# Altium PCB AIR_MOUNT23.PcbDoc (part 4 of 4)
Units mm, origin at the board's own origin, x right, y up, seen from the top; angles counter-clockwise.
Board outline 149.5 x 178 mm, 4 copper layers (Top Layer, Layer 1, Layer 2, Bottom Layer), stack 1.741 mm thick; 443 components, 337 nets, 1578 pads, 464 vias.
Unrouted connection lines stored in the file: 63.
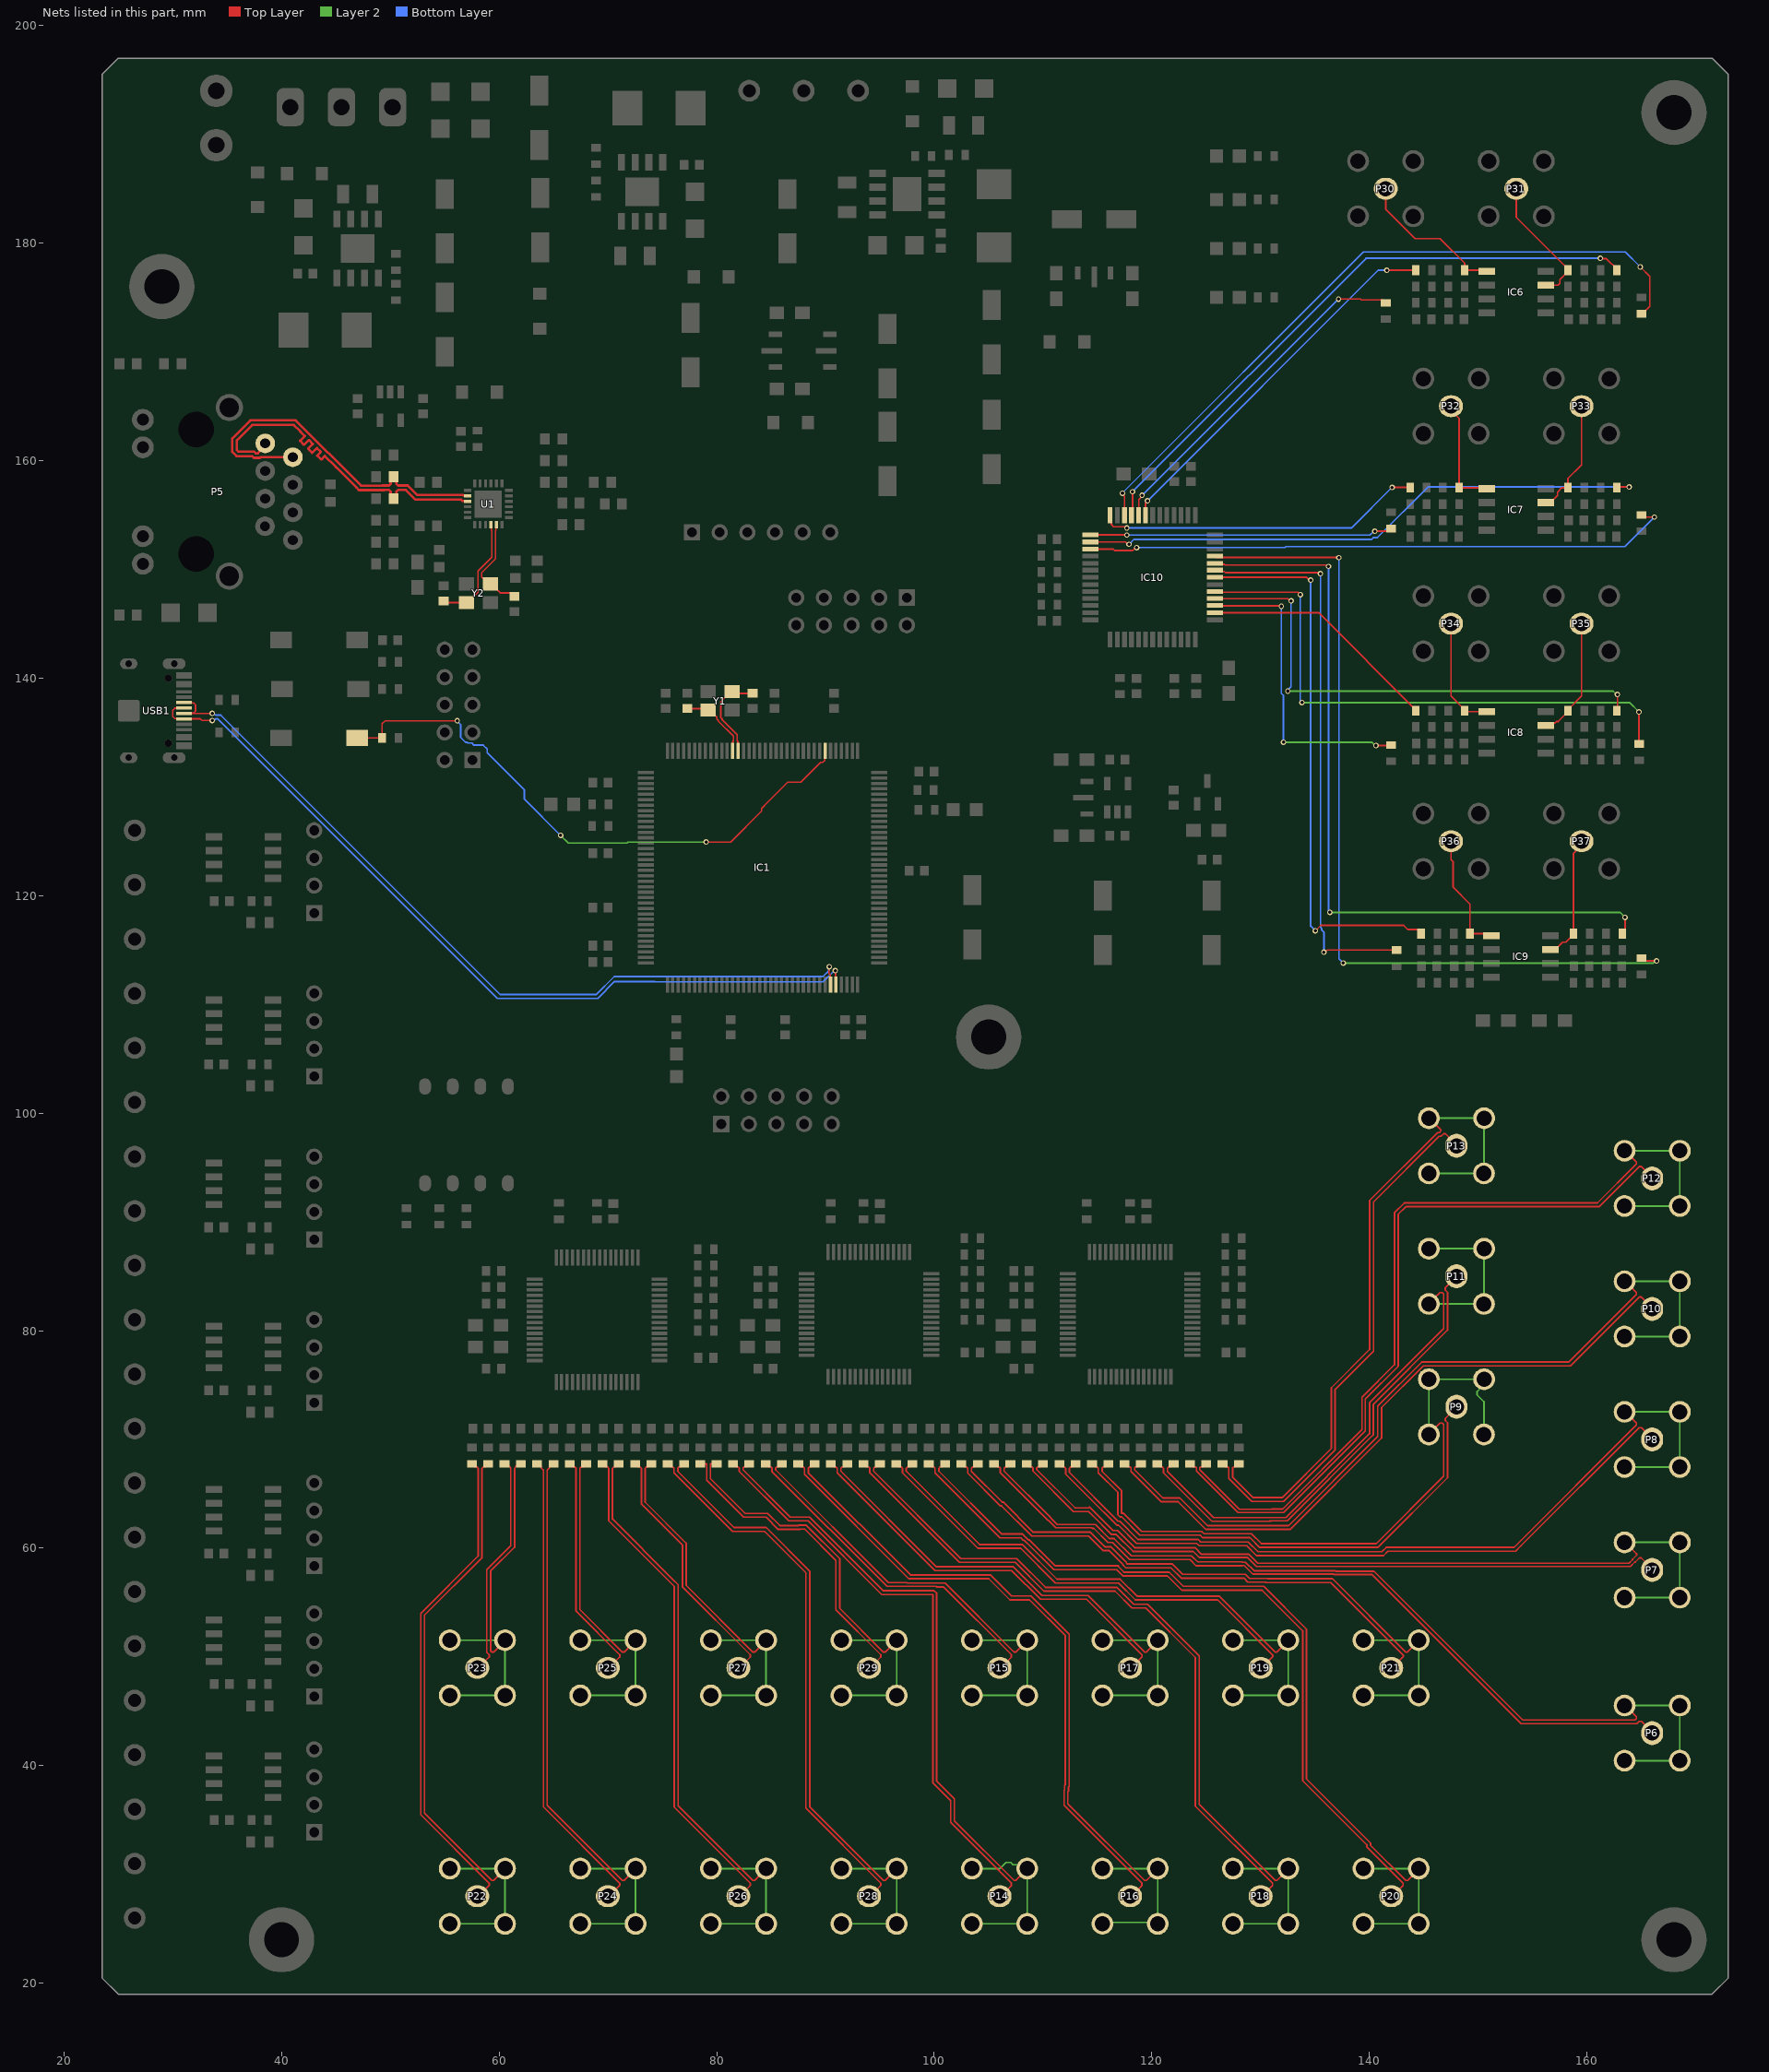
[diagram p6: the nets of this part, all layers, seen from the top]

## Via types
v1: diameter 0.5, hole 0.3, Top Layer to Bottom Layer, tented both sides, 452 vias
v2: diameter 0.7, hole 0.4, Top Layer to Bottom Layer, 8 vias
v3: diameter 0.6, hole 0.3, Top Layer to Bottom Layer, tented both sides, 2 vias
v4: diameter 0.66, hole 0.33, Top Layer to Bottom Layer, 2 vias

## Nets (pads, with @x,y where several pads share a name; then routed paths per layer and width w, separated by ;. In a path a pad name is that pad's centre, name@x,y a point inside that pad or via, vN(x,y) a via of type N, cw(c..) or ccw(c..) an arc to the next point about the centre after c; other vN are vias at no path point) (continued)
TD_3_N: P5.2 R31.1 U1.20 | length 33.4
  Top Layer w0.22: P5.2@41.04,160.31 38.057,160.31 37.997,160.25 37.454,160.25 37.301,160.403 35.861,160.403 35.477,160.787 35.477,162.036 37.138,163.697 41.297,163.697 47.294,157.7 49.288,157.7 49.298,157.71 49.89,157.71 50.028,157.848 50.028,158.228 R31.1@50.3,158.5 50.572,158.228 50.572,157.848 50.71,157.71 51.602,157.71 52.482,156.83 56.691,156.83 56.741,156.78 57.07,156.78 U1.20@57.1,156.75
TD_3_P: P5.1 R36.1 U1.21 | length 33.4
  Top Layer w0.22: P5.1@38.5,161.58 38.5,161.347 37.823,160.67 37.628,160.67 37.475,160.823 36.035,160.823 35.897,160.961 35.897,161.862 37.312,163.277 41.123,163.277 41.7,162.7 41.778,162.622 42.145,162.255 41.708,161.817 42.076,161.45 42.513,161.887 42.881,161.519 42.444,161.082 42.811,160.714 43.249,161.151 43.616,160.784 43.285,160.453 43.653,160.085 43.984,160.416 44.972,159.428 45.05,159.35 46.874,157.526 47.12,157.28 49.462,157.28 49.472,157.29 49.89,157.29 50.028,157.152 50.028,156.772 R36.1@50.3,156.5 50.572,156.772 50.572,157.152 50.71,157.29 51.428,157.29 52.308,156.41 56.517,156.41 56.647,156.28 57.07,156.28 U1.21@57.1,156.25
USB_D_2_N: IC1.103 USB1.A7 USB1.B7 | length 75.8
  Top Layer w0.15: USB1.B7@31.048,137.75 31.073,137.725 31.907,137.725 32.098,137.535 32.098,136.965 31.907,136.775 31.073,136.775 USB1.A7@31.048,136.75 31.907,136.75 v1(33.625,136.75) ; v1(90.352,113.465) 90.315,113.428 90.315,112.832 90.44,112.707 90.44,111.856 IC1.103@90.465,111.831
  Bottom Layer w0.15: v1(33.625,136.75) 33.692,136.683 33.855,136.683 33.938,136.6 34.415,136.6 60.115,110.9 68.921,110.9 70.581,112.56 74.709,112.56 89.77,112.56 90.307,113.097 90.307,113.42 v1(90.352,113.465)
USB_D_2_P: IC1.104 USB1.A6 USB1.B6 | length 75.8
  Top Layer w0.15: USB1.A6@31.048,137.25 31.022,137.225 30.188,137.225 29.997,137.035 29.997,136.465 30.188,136.275 31.022,136.275 USB1.B6@31.048,136.25 32.539,136.25 32.689,136.1 v1(33.625,136.1) ; v1(90.9,113.1) 90.94,113.06 90.94,111.856 IC1.104@90.965,111.831
  Bottom Layer w0.15: v1(33.625,136.1) 33.692,136.167 33.855,136.167 33.938,136.25 34.15,136.25 59.85,110.55 69.066,110.55 70.616,112.1 74.3,112.1 74.33,112.07 89.775,112.07 90.805,113.1 v1(90.9,113.1)
USER_BTN_2: IC1.7 R4.1 S1.2 | length 54.7
  Top Layer w0.15: S1.2@46.944,134.5 R4.1@49.25,134.5 49.25,135.805 49.52,136.075 v1(56.15,136.075) ; v1(79.026,124.926) 81.272,124.926 84.129,127.782 84.129,128.029 84.7,128.6 86.522,130.422 87.735,130.422 89.558,132.244 89.75,132.244 89.94,132.435 89.94,132.84 89.965,132.865 IC1.7@89.965,133.307
  Layer 2 w0.15: v1(65.653,125.536) 66.364,124.825 71.738,124.825 71.839,124.926 v1(79.026,124.926)
  Bottom Layer w0.15: v1(56.15,136.075) 56.15,136.033 56.465,135.718 56.465,134.555 56.922,134.098 57.063,134.098 57.136,134.025 57.491,134.025 57.681,133.835 58.549,133.835 58.915,133.469 58.915,133.14 59.3,132.755 59.3,132.749 62.326,129.723 62.326,128.864 v1(65.653,125.536)
V0_8: IC10.34 R106.1 | length 34.8
  Top Layer w0.15: IC10.34@119.418,154.979 119.418,156.118 v1(119.6,156.3) ; v1(141.6,177.5) R106.1@144.25,177.5
  Bottom Layer w0.15: v1(119.6,156.3) 140.8,177.5 v1(141.6,177.5)
V1_5_N: P6.2 R66.1 | length 85.6
  Top Layer w0.15: R66.1@107,67.75 106.725,67.475 106.542,67.475 106.425,67.358 106.425,67.075 110.701,62.799 110.701,62.764 111.291,62.173 114.816,62.173 116.111,60.879 116.535,60.879 118.114,59.3 123.65,59.3 124.212,58.738 128.294,58.738 128.319,58.713 128.612,58.713 129.4,57.925 136.852,57.925 136.902,57.875 140.432,57.875 154.092,44.215 164.428,44.215 164.548,44.336 164.548,44.502 163.51,45.54 P6.2@163.46,45.54
  Layer 2 w0.15: P6.2@163.46,40.46 P6.2@168.533,40.46 168.536,40.464 168.536,45.536 P6.2@168.54,45.54 P6.2@163.46,45.54
V1_5_P: P6.1 R67.1 | length 71.3
  Top Layer w0.15: R67.1@105.5,67.75 105.775,67.475 105.958,67.475 106.075,67.358 106.075,66.93 110.453,62.552 110.489,62.552 111.167,61.873 114.503,61.873 114.553,61.823 114.671,61.823 115.966,60.529 116.39,60.529 117.969,58.95 123.504,58.95 124.067,58.387 128.294,58.387 128.319,58.413 128.488,58.413 129.276,57.625 136.728,57.625 136.778,57.575 140.237,57.575 153.947,43.865 164.572,43.865 164.796,44.088 165.012,44.088 166,43.1 P6.1@166,43
V1_6_N: P14.2 R84.1 | length 70.1
  Top Layer w0.15: R84.1@83,67.75 82.725,67.475 82.513,67.475 82.425,67.387 82.425,67.207 86.772,62.86 88.546,62.86 95.316,56.09 99.988,56.09 100.221,55.857 100.221,38.574 101.85,36.945 101.85,34.937 107.336,29.452 107.502,29.452 108.54,30.49 P14.2@108.54,30.54
  Layer 2 w0.15: P14.2@103.46,25.467 103.464,25.464 108.536,25.464 P14.2@108.54,25.46 P14.2@108.54,30.54 108.186,30.894 107.246,30.894 107.04,31.1 106.6,31.1 106.04,30.54 P14.2@103.46,30.54
V1_6_P: P14.1 R85.1 | length 54.8
  Top Layer w0.15: R85.1@81.5,67.75 81.775,67.475 81.987,67.475 82.075,67.387 82.075,67.062 86.627,62.51 88.401,62.51 95.068,55.842 95.171,55.74 99.843,55.74 99.871,55.712 99.871,38.429 101.5,36.8 101.5,34.793 107.088,29.204 107.088,28.988 106.1,28 P14.1@106,28
V1_7_N: P22.2 R102.1 | length 60.3
  Top Layer w0.15: R102.1@59,67.75 58.725,67.475 58.542,67.475 58.425,67.358 58.425,59.13 53.147,53.853 53.147,35.64 59.336,29.452 59.502,29.452 60.54,30.49 P22.2@60.54,30.54
  Layer 2 w0.15: P22.2@55.46,25.467 55.464,25.464 60.536,25.464 P22.2@60.54,25.46 P22.2@60.54,30.54 P22.2@55.46,30.54
V1_7_P: P22.1 R103.1 | length 45.4
  Top Layer w0.15: R103.1@57.5,67.75 57.775,67.475 57.958,67.475 58.075,67.358 58.075,59.275 52.797,53.997 52.797,35.495 59.088,29.204 59.088,28.988 58.1,28 P22.1@58,28
V1_8: IC10.35 R108.1 | length 32
  Top Layer w0.15: IC10.35@118.783,154.979 118.8,154.996 118.8,156.405 119.1,156.705 v1(119.1,156.8) ; v1(137.159,174.846) 139.187,174.846 139.259,174.775 141.225,174.775 R108.1@141.5,174.5
  Bottom Layer w0.15: v1(119.1,156.8) 137.146,174.846 v1(137.159,174.846)
V2_5_N: P7.2 R64.1 | length 77.1
  Top Layer w0.14: R64.1@110,67.75 109.72,67.47 109.502,67.47 109.42,67.388 109.42,67.233 112.934,63.719 114.203,63.719 114.267,63.783
  Top Layer w0.15: 114.267,63.783 116.421,61.629 116.846,61.629 118.424,60.05 123.96,60.05 124.573,59.438 128.93,59.438 129.742,58.625 163.873,58.625 164.188,58.94 164.188,58.975 164.569,59.357 164.569,59.481 163.51,60.54 P7.2@163.46,60.54
  Layer 2 w0.15: P7.2@163.46,55.46 P7.2@168.533,55.46 168.536,55.464 168.536,60.536 P7.2@168.54,60.54 163.64,60.54 163.46,60.36 P7.2@163.46,60.54
V2_5_P: P7.1 R65.1 | length 62.4
  Top Layer w0.14: R65.1@108.5,67.75 108.78,67.47 108.998,67.47 109.08,67.388 109.08,67.092 112.793,63.379 114.176,63.379 114.24,63.315
  Top Layer w0.15: 114.24,63.315 114.553,63.003 116.276,61.279 116.701,61.279 118.279,59.7 123.755,59.7 123.815,59.7 124.378,59.138 128.806,59.138 129.618,58.325 163.997,58.325 164.4,58.728 164.435,58.728 164.817,59.109 164.991,59.109 166,58.1 P7.1@166,58
V2_6_N: P15.2 R82.1 | length 46.7
  Top Layer w0.15: R82.1@86,67.75 85.725,67.475 85.513,67.475 85.425,67.387 85.425,67.207 95.802,56.83 97.464,56.83 97.499,56.795 100.993,56.795 107.336,50.452 107.502,50.452 108.54,51.49 P15.2@108.54,51.54
  Layer 2 w0.15: P15.2@103.46,46.467 103.464,46.464 108.536,46.464 P15.2@108.54,46.46 P15.2@108.54,51.54 P15.2@103.46,51.54
V2_6_P: P15.1 R83.1 | length 31.8
  Top Layer w0.15: R83.1@84.5,67.75 84.775,67.475 84.987,67.475 85.075,67.387 85.075,67.062 95.647,56.49 100.154,56.49 100.199,56.445 100.848,56.445 107.088,50.204 107.088,49.988 106.1,49 P15.1@106,49
V2_7_N: P23.2 R100.1 | length 35.8
  Top Layer w0.15: P23.2@60.54,51.54 60.54,51.49 59.502,50.452 59.336,50.452 59.215,50.572 59.215,57.881 61.425,60.091 61.425,67.175 cw(c62,67.175) 61.625,67.611 R100.1@62,67.75
  Layer 2 w0.15: P23.2@55.46,46.467 55.464,46.464 60.264,46.464 60.5,46.7 P23.2@60.54,46.66 ; P23.2@55.46,51.54 P23.2@60.54,51.54 60.3,51.3 60.54,51.06 P23.2@60.54,46.66 ; P23.2@60.54,46.46 P23.2@60.54,46.66
V2_7_P: P23.1 R101.1 | length 20.6
  Top Layer w0.15: P23.1@58,49 58.1,49 59.088,49.988 59.088,50.204 58.865,50.428 58.865,58.026 61.075,60.236 61.075,67.175 ccw(c60.5,67.175) 60.875,67.611 R101.1@60.5,67.75
V2_8: IC10.36 R112.1 | length 56.1
  Top Layer w0.15: IC10.36@118.123,154.979 118.224,155.081 v1(118.224,157.137) ; v1(161.219,178.6) 161.263,178.556 161.794,178.556 162.75,177.6 R112.1@162.75,177.5
  Bottom Layer w0.15: v1(118.224,157.137) 139.687,178.6 v1(161.219,178.6)
V3_5_N: P8.2 R62.1 | length 78
  Top Layer w0.15: R62.1@113,67.75 112.725,67.475 112.542,67.475 112.425,67.358 112.425,66.963 116.913,62.476 117.059,62.476 118.735,60.8 124.271,60.8 124.496,60.575 128.853,60.575 129.758,59.67 141.145,59.67 141.55,60.075 153.287,60.075 164.548,71.336 164.548,71.502 163.51,72.54 P8.2@163.46,72.54
  Layer 2 w0.15: P8.2@163.46,67.46 P8.2@168.533,67.46 168.536,67.464 168.536,72.536 P8.2@168.54,72.54 P8.2@163.46,72.54
V3_5_P: P8.1 R63.1 | length 63.7
  Top Layer w0.15: R63.1@111.5,67.75 111.775,67.475 111.958,67.475 112.075,67.358 112.075,66.818 114.319,64.574 116.768,62.126 116.914,62.126 118.59,60.45 124.126,60.45 124.351,60.225 128.708,60.225 129.613,59.32 141.29,59.32 141.695,59.725 153.432,59.725 153.922,60.215 164.796,71.088 165.012,71.088 166,70.1 P8.1@166,70
V3_6_N: P16.2 R80.1 | length 74.8
  Top Layer w0.15: R80.1@89,67.75 88.725,67.475 88.542,67.475 88.425,67.358 88.425,66.93 97.81,57.545 105.155,57.545 107.1,55.6 108.9,55.6 112.402,52.098 112.402,38.108 112.33,38.035 112.33,37.635 112.28,37.585 112.28,36.507 119.336,29.452 119.502,29.452 120.54,30.49 P16.2@120.54,30.54
  Layer 2 w0.15: P16.2@115.46,25.467 115.593,25.6 120.4,25.6 P16.2@120.54,25.46 120.54,29.685 120.113,30.113 119.825,30.4 120.3,30.4 P16.2@120.44,30.54 ; P16.2@115.46,30.54 P16.2@120.44,30.54 ; P16.2@120.54,30.54 P16.2@120.44,30.54
V3_6_P: P16.1 R81.1 | length 58.9
  Top Layer w0.15: R81.1@87.5,67.75 87.775,67.475 87.958,67.475 88.075,67.358 88.075,66.785 97.665,57.195 105.01,57.195 106.955,55.25 108.755,55.25 112.053,51.953 112.053,38.253 111.98,38.18 111.98,37.78 111.93,37.73 111.93,36.362 119.088,29.204 119.088,28.988 118.1,28 P16.1@118,28
V3_7_N: P24.2 R98.1 | length 58.5
  Top Layer w0.15: R98.1@65,67.75 64.9,67.75 64.625,67.475 64.625,67.383 64.425,67.183 64.425,36.363 71.336,29.452 71.502,29.452 72.54,30.49 P24.2@72.54,30.54
  Layer 2 w0.15: P24.2@67.46,25.467 67.464,25.464 72.364,25.464 P24.2@72.54,25.64 ; P24.2@67.46,30.54 P24.2@72.54,30.54 P24.2@72.54,25.64 ; P24.2@72.54,25.46 P24.2@72.54,25.64
V3_7_P: P24.1 R99.1 | length 43.5
  Top Layer w0.15: R99.1@63.5,67.75 63.6,67.75 63.875,67.475 63.875,67.375 64.075,67.175 64.075,36.218 71.088,29.204 71.088,28.988 70.1,28 P24.1@70,28
V3_8: IC10.37 R115.1 | length 64.5
  Top Layer w0.15: v1(117.3,157) 117.3,156.905 117.488,156.717 IC10.37@117.488,154.979 ; v1(164.9,177.8) 165.775,176.925 165.775,174.175 165.1,173.5 R115.1@165,173.5
  Bottom Layer w0.15: v1(117.3,157) 117.3,157.026 139.449,179.175 163.525,179.175 v1(164.9,177.8)
V4_5_N: P9.2 R60.1 | length 61.3
  Top Layer w0.15: R60.1@116,67.75 115.725,67.475 115.542,67.475 115.425,67.358 115.425,67.075 117.223,65.277 117.223,63.226 117.37,63.226 119.046,61.55 124.581,61.55 124.806,61.325 128.927,61.325 129.072,61.325 129.164,61.325 130.069,60.42 140.624,60.42 146.831,66.627 146.831,71.381 146.714,71.498 146.498,71.498 P9.2@145.46,70.46
  Layer 2 w0.15: P9.2@145.46,70.46 P9.2@145.46,75.54 P9.2@150.54,75.54 150.54,75.039 149.9,74.399 149.9,74.1 150.533,73.467 P9.2@150.533,70.46
V4_5_P: P9.1 R61.1 | length 47
  Top Layer w0.15: R61.1@114.5,67.75 114.775,67.475 114.958,67.475 115.075,67.358 115.075,66.93 116.873,65.132 116.873,63.226 116.873,63.081 117.078,62.876 117.225,62.876 118.901,61.2 124.437,61.2 124.662,60.975 129.019,60.975 129.924,60.07 140.769,60.07 147.181,66.482 147.181,71.526 146.962,71.746 146.962,71.912 148,72.95 P9.1@148,73
V4_6_N: P17.2 R78.1 | length 52.8
  Top Layer w0.15: R78.1@92,67.75 91.725,67.475 91.542,67.475 91.425,67.358 91.425,67.075 100.205,58.295 107.266,58.295 109.908,55.653 114.135,55.653 119.357,50.431 119.481,50.431 120.54,51.49 P17.2@120.54,51.54
  Layer 2 w0.15: P17.2@115.46,46.467 115.464,46.464 120.536,46.464 P17.2@120.54,46.46 P17.2@120.54,51.54 P17.2@115.46,51.54
V4_6_P: P17.1 R79.1 | length 37.8
  Top Layer w0.15: R79.1@90.5,67.75 90.775,67.475 90.958,67.475 91.075,67.358 91.075,66.93 100.06,57.945 107.121,57.945 109.763,55.303 113.99,55.303 119.109,50.183 119.109,50.009 118.1,49 P17.1@118,49
V4_7_N: P25.2 R96.1 | length 36.6
  Top Layer w0.15: R96.1@68,67.75 67.725,67.475 67.542,67.475 67.425,67.358 67.425,54.362 71.336,50.452 71.502,50.452 72.54,51.49 P25.2@72.54,51.54
  Layer 2 w0.15: P25.2@67.46,46.467 67.464,46.464 72.136,46.464 72.3,46.3 72.46,46.46 P25.2@72.54,46.46 P25.2@72.54,51.54 67.96,51.54 67.7,51.8 67.46,51.56 P25.2@67.46,51.54
V4_7_P: P25.1 R97.1 | length 21.3
  Top Layer w0.15: R97.1@66.5,67.75 66.775,67.475 66.958,67.475 67.075,67.358 67.075,54.218 71.088,50.204 71.088,49.988 70.1,49 P25.1@70,49
V4_8: IC10.39 R120.1 | length 30.1
  Top Layer w0.15: IC10.39@116.167,154.979 116.167,154.519 116.287,154.4 116.287,154.108 116.477,153.918 117.582,153.918 v1(117.7,153.8) ; v1(142.081,157.535) 143.715,157.535 R120.1@143.75,157.5
  Bottom Layer w0.15: v1(117.7,153.8) 138.347,153.8 v1(142.081,157.535)
V5_5_N: P10.2 R58.1 | length 76.8
  Top Layer w0.15: R58.1@119,67.75 118.725,67.475 118.513,67.475 118.425,67.387 118.425,67.207 121.012,64.62 122.573,64.62 125.117,62.075 132.565,62.075 140.766,70.276 140.766,73.074 144.808,77.115 158.328,77.115 164.548,83.336 164.548,83.502 163.51,84.54 P10.2@163.46,84.54
  Layer 2 w0.15: P10.2@163.46,79.46 P10.2@168.533,79.46 168.536,79.464 168.536,84.536 P10.2@168.54,84.54 163.66,84.54 163.46,84.74 P10.2@163.46,84.54
V5_5_P: P10.1 R59.1 | length 62.2
  Top Layer w0.15: R59.1@117.5,67.75 117.775,67.475 117.987,67.475 118.075,67.387 118.075,67.062 120.867,64.27 122.428,64.27 124.972,61.725 129.092,61.725 132.71,61.725 141.116,70.131 141.116,72.929 144.953,76.765 158.473,76.765 164.796,83.088 165.012,83.088 166,82.1 P10.1@166,82
V5_6_N: P18.2 R76.1 | length 78.6
  Top Layer w0.15: R76.1@95,67.75 94.725,67.475 94.542,67.475 94.425,67.358 94.425,67.075 102.455,59.045 107.576,59.045 110.219,56.403 116.769,56.403 118.324,54.847 119.602,54.847 124.35,50.099 124.35,36.437 131.336,29.452 131.502,29.452 132.54,30.49 P18.2@132.54,30.54
  Layer 2 w0.15: P18.2@127.46,25.467 127.464,25.464 132.536,25.464 P18.2@132.54,25.46 P18.2@132.54,30.54 127.84,30.54 127.7,30.4 127.56,30.54 P18.2@127.46,30.54
V5_6_P: P18.1 R77.1 | length 63.5
  Top Layer w0.15: R77.1@93.5,67.75 93.775,67.475 93.958,67.475 94.075,67.358 94.075,66.93 102.31,58.695 107.431,58.695 110.074,56.053 116.624,56.053 118.179,54.497 119.457,54.497 124,49.954 124,36.293 131.088,29.204 131.088,28.988 130.1,28 P18.1@130,28
V5_7_N: P26.2 R94.1 | length 60.9
  Top Layer w0.15: R94.1@71,67.75 70.725,67.475 70.542,67.475 70.425,67.358 70.425,62.675 76,57.1 76.45,56.65 76.45,36.338 83.336,29.452 83.502,29.452 84.54,30.49 P26.2@84.54,30.54
  Layer 2 w0.15: P26.2@79.46,25.467 79.464,25.464 84.536,25.464 P26.2@84.54,25.46 P26.2@84.54,30.54 P26.2@79.46,30.54
V5_7_P: P26.1 R95.1 | length 46
  Top Layer w0.15: R95.1@69.5,67.75 69.775,67.475 69.958,67.475 70.075,67.358 70.075,62.53 76.1,56.505 76.1,36.193 83.088,29.204 83.088,28.988 82.1,28 P26.1@82,28
V5_8: IC10.40 R122.1 | length 27.9
  Top Layer w0.15: IC10.40@114.364,153.176 114.377,153.163 117.687,153.163 v1(117.7,153.15) ; v1(140.5,153.5) 141.75,153.5 R122.1@142,153.75
  Bottom Layer w0.15: v1(117.7,153.15) 140.055,153.15 140.405,153.5 v1(140.5,153.5)
V6_5_N: P11.2 R56.1 | length 57.6
  Top Layer w0.15: R56.1@122,67.75 121.725,67.475 121.542,67.475 121.425,67.358 121.425,67.065 125.665,62.825 129.245,62.825 132.325,62.825 140.016,70.516 140.016,73.384 146.831,80.199 146.831,83.381 146.714,83.498 146.498,83.498 P11.2@145.46,82.46
  Layer 2 w0.15: P11.2@145.46,82.46 145.46,82.64 145.55,82.55 145.64,82.46 P11.2@150.533,82.46 150.536,82.464 150.536,87.536 P11.2@150.54,87.54 P11.2@145.46,87.54
V6_5_P: P11.1 R57.1 | length 43.5
  Top Layer w0.15: R57.1@120.5,67.75 120.775,67.475 120.958,67.475 121.075,67.358 121.075,66.92 125.52,62.475 129.245,62.475 130.783,62.475 130.808,62.5 130.953,62.5 130.978,62.525 132.449,62.525 140.316,70.392 140.316,70.396 140.366,70.446 140.366,73.239 147.181,80.054 147.181,83.526 146.962,83.746 146.962,83.912 148,84.95 P11.1@148,85
V6_6_N: P19.2 R74.1 | length 58.8
  Top Layer w0.15: R74.1@98,67.75 97.725,67.475 97.542,67.475 97.425,67.358 97.425,67.075 104.154,60.346 108.086,60.346 111.279,57.153 117.079,57.153 118.635,55.597 126.19,55.597 131.357,50.431 131.481,50.431 132.54,51.49 P19.2@132.54,51.54
  Layer 2 w0.15: P19.2@127.46,46.467 127.464,46.464 132.536,46.464 P19.2@132.54,46.46 P19.2@132.54,51.54 P19.2@127.46,51.54
V6_6_P: P19.1 R75.1 | length 43.8
  Top Layer w0.15: R75.1@96.5,67.75 96.775,67.475 96.958,67.475 97.075,67.358 97.075,66.93 104.009,59.996 107.941,59.996 111.134,56.803 116.934,56.803 118.49,55.247 126.045,55.247 131.109,50.183 131.109,50.009 130.1,49 P19.1@130,49
V6_7_N: P27.2 R92.1 | length 38.8
  Top Layer w0.15: R92.1@74,67.75 73.725,67.475 73.542,67.475 73.425,67.358 73.425,64.231 77.2,60.456 77.2,56.588 83.336,50.452 83.502,50.452 84.54,51.49 P27.2@84.54,51.54
  Layer 2 w0.15: P27.2@79.46,46.467 79.464,46.464 84.536,46.464 P27.2@84.54,46.46 84.54,51.44 84.59,51.49 84.64,51.54 P27.2@84.54,51.54 P27.2@79.46,51.54
V6_7_P: P27.1 R93.1 | length 23.8
  Top Layer w0.15: R93.1@72.5,67.75 72.775,67.475 72.958,67.475 73.075,67.358 73.075,64.086 76.85,60.311 76.85,56.443 83.088,50.204 83.088,49.988 82.1,49 P27.1@82,49
V6_8: IC10.41 R126.1 | length 52.9
  Top Layer w0.15: IC10.41@114.364,152.516 117.59,152.516 117.805,152.3 v1(117.9,152.3) ; R126.1@162.75,157.5 162.819,157.569 v1(163.879,157.569)
  Bottom Layer w0.15: v1(117.9,152.3) 118.35,152.75 140.221,152.75 140.396,152.925 140.738,152.925 145.382,157.569 v1(163.879,157.569)
V7_5_N: P12.2 R54.1 | length 82.6
  Top Layer w0.15: R54.1@125,67.75 124.725,67.475 124.488,67.475 124.4,67.387 124.4,67.232 128.052,63.58 131.001,63.58 131.011,63.59 132.005,63.59 139.316,70.901 139.316,73.886 142.3,76.87 142.3,90.845 143.205,91.75 160.963,91.75 164.548,95.336 164.548,95.502 163.51,96.54 P12.2@163.46,96.54
  Layer 2 w0.15: P12.2@163.46,91.46 P12.2@168.533,91.46 168.536,91.464 168.536,96.536 P12.2@168.54,96.54 P12.2@163.46,96.54
V7_5_P: P12.1 R55.1 | length 68.1
  Top Layer w0.15: R55.1@123.5,67.75 123.775,67.475 124.012,67.475 124.1,67.387 124.1,67.108 127.928,63.28 131.125,63.28 131.135,63.29 132.129,63.29 139.616,70.777 139.616,73.691 139.666,73.741 142.65,76.725 142.65,90.7 143.35,91.4 161.108,91.4 164.796,95.088 165.012,95.088 166,94.1 P12.1@166,94
V7_6_N: P20.2 R72.1 | length 84.7
  Top Layer w0.15: R72.1@101,67.75 100.725,67.475 100.542,67.475 100.425,67.358 100.425,67.075 106.201,61.299 108.115,61.299 108.369,61.046 108.376,61.046 108.671,60.751 108.766,60.751 111.142,58.375 116.917,58.375 116.917,58.313 117.43,57.8 117.492,57.8 121.584,57.8 122.894,56.49 130.28,56.49 134.215,52.555 134.215,40.862 134.215,38.78 140.107,32.888 140.107,32.681 143.336,29.452 143.502,29.452 144.54,30.49 P20.2@144.54,30.54
  Layer 2 w0.15: P20.2@139.46,25.467 139.464,25.464 144.536,25.464 P20.2@144.54,25.46 P20.2@144.54,30.54 P20.2@139.46,30.54
V7_6_P: P20.1 R73.1 | length 69.7
  Top Layer w0.15: R73.1@99.5,67.75 99.775,67.475 99.958,67.475 100.075,67.358 100.075,66.93 106.056,60.949 107.97,60.949 108.174,60.746 108.252,60.746 108.546,60.451 108.571,60.451 110.997,58.025 116.772,58.025 117.245,57.553 117.306,57.492 117.347,57.45 121.439,57.45 122.749,56.14 130.135,56.14 133.865,52.41 133.865,40.862 133.865,38.635 139.757,32.743 139.757,32.536 143.088,29.204 143.088,28.988 142.1,28 P20.1@142,28
V7_7_N: P28.2 R90.1 | length 65.1
  Top Layer w0.15: R90.1@77,67.75 76.725,67.475 76.542,67.475 76.425,67.358 76.425,67.075 81.6,61.9 84.545,61.9 88.55,57.895 88.55,36.237 95.336,29.452 95.502,29.452 96.54,30.49 P28.2@96.54,30.54
  Layer 2 w0.15: P28.2@91.46,25.467 91.464,25.464 96.536,25.464 P28.2@96.54,25.46 P28.2@96.54,30.54 P28.2@91.46,30.54
V7_7_P: P28.1 R91.1 | length 50.2
  Top Layer w0.15: R91.1@75.5,67.75 75.775,67.475 75.958,67.475 76.075,67.358 76.075,66.93 81.455,61.55 84.4,61.55 88.2,57.75 88.2,36.093 95.088,29.204 95.088,28.988 94.1,28 P28.1@94,28
V7_8: IC10.42 R129.1 | length 54.5
  Top Layer w0.15: IC10.42@114.364,151.855 114.545,151.855 114.6,151.8 114.655,151.855 116.47,151.855 116.6,151.725 118.23,151.725 118.505,152 v1(118.6,152) ; R129.1@165,155 165.2,154.8 v1(166.2,154.8)
  Bottom Layer w0.15: v1(118.6,152) 132.228,152 132.327,152.099 163.499,152.099 v1(166.2,154.8)
V8_5_N: P13.2 R52.1 | length 63.7
  Top Layer w0.15: R52.1@128,67.75 127.725,67.475 127.513,67.475 127.425,67.387 127.425,66.55 129.325,64.65 131.975,64.65 136.5,69.175 136.5,74.75 140.025,78.275 140.025,91.975 146.266,98.216 146.429,98.216 146.569,98.357 146.569,98.481 145.51,99.54 P13.2@145.46,99.54
  Layer 2 w0.15: P13.2@145.46,94.46 P13.2@150.533,94.46 150.536,94.464 150.536,99.536 P13.2@150.54,99.54 P13.2@145.46,99.54
V8_5_P: P13.1 R53.1 | length 49.3
  Top Layer w0.15: R53.1@126.5,67.75 126.775,67.475 126.987,67.475 127.075,67.387 127.075,66.405 129.18,64.3 132.12,64.3 136.85,69.03 136.85,74.605 140.375,78.13 140.375,91.83 146.411,97.866 146.574,97.866 146.817,98.109 146.991,98.109 148,97.1 P13.1@148,97
V8_6_N: P21.2 R70.1 | length 64.9
  Top Layer w0.15: R70.1@104,67.75 103.725,67.475 103.542,67.475 103.425,67.358 103.425,67.05 106.235,64.24 106.337,64.24 109.104,61.473 114.338,61.473 115.682,60.129 116.224,60.129 117.653,58.7 117.653,58.638 117.741,58.55 121.895,58.55 122.845,57.6 128.594,57.6 128.969,57.225 130.606,57.225 130.626,57.205 130.64,57.205 130.65,57.195 136.593,57.195 143.357,50.431 143.481,50.431 144.54,51.49 P21.2@144.54,51.54
  Layer 2 w0.15: P21.2@139.46,46.467 139.464,46.464 144.536,46.464 P21.2@144.54,46.46 P21.2@144.54,51.54 139.56,51.54 139.5,51.6 139.46,51.56 P21.2@139.46,51.54
V8_6_P: P21.1 R71.1 | length 49.9
  Top Layer w0.15: R71.1@102.5,67.75 102.775,67.475 102.958,67.475 103.075,67.358 103.075,67.05 103.075,66.905 106.09,63.891 106.192,63.891 108.959,61.123 114.193,61.123 115.537,59.779 116.079,59.779 117.083,58.775 117.317,58.541 117.317,58.479 117.596,58.2 117.803,58.2 121.75,58.2 122.7,57.25 128.456,57.25 128.816,56.89 130.446,56.89 130.481,56.855 130.495,56.855 130.505,56.845 136.448,56.845 143.109,50.183 143.109,50.009 142.1,49 P21.1@142,49
V8_7_N: P29.2 R88.1 | length 44.1
  Top Layer w0.15: R88.1@80,67.75 79.425,67.75 79.425,66.4 82.625,63.2 84.685,63.2 85.805,62.08 87.515,62.08 87.545,62.11 88.235,62.11 91.312,59.033 91.312,54.476 95.336,50.452 95.502,50.452 96.54,51.49 P29.2@96.54,51.54
  Layer 2 w0.15: P29.2@91.46,46.467 91.464,46.464 96.536,46.464 P29.2@96.54,46.46 P29.2@96.54,51.54 P29.2@91.46,51.54
V8_7_P: P29.1 R89.1 | length 29.1
  Top Layer w0.15: R89.1@78.5,67.75 79.075,67.75 79.075,66.255 82.48,62.85 84.54,62.85 85.66,61.73 87.66,61.73 87.69,61.76 88.09,61.76 90.962,58.888 90.962,54.331 95.088,50.204 95.088,49.988 94.1,49 P29.1@94,49
V8_8: IC10.15 R134.1 | length 22.2
  Top Layer w0.15: IC10.15@125.794,146.013 135.337,146.013 144.25,137.1 R134.1@144.25,137
V9_8: IC10.16 R136.1 | length 28.8
  Top Layer w0.15: IC10.16@125.794,146.674 125.831,146.637 131.863,146.637 v1(131.9,146.6) ; v1(140.6,133.8) 141.95,133.8 R136.1@142,133.85
  Layer 2 w0.15: v1(132.1,134.1) 140.205,134.1 140.505,133.8 v1(140.6,133.8)
  Bottom Layer w0.15: v1(131.9,146.6) 131.9,138.587 132.1,138.387 v1(132.1,134.1)
V10_8: IC10.17 R140.1 | length 47.5
  Top Layer w0.15: IC10.17@125.794,147.309 132.497,147.309 132.705,147.1 v1(132.8,147.1) ; R140.1@162.75,137 162.8,137.05 v1(162.8,138.5)
  Layer 2 w0.15: v1(132.5,138.8) 162.405,138.8 162.705,138.5 v1(162.8,138.5)
  Bottom Layer w0.15: v1(132.5,138.8) 132.5,138.895 132.8,139.195 v1(132.8,147.1)
V11_8: IC10.18 R143.1 | length 52.2
  Top Layer w0.15: IC10.18@125.794,147.969 125.931,147.969 126,147.9 133.421,147.9 v1(133.645,147.676) ; v1(164.778,136.889) 164.778,133.972 R143.1@164.8,133.95
  Layer 2 w0.15: v1(133.801,137.752) 163.915,137.752 v1(164.778,136.889)
  Bottom Layer w0.15: v1(133.645,147.676) 133.645,137.908 v1(133.801,137.752)
V12_8: IC10.20 R148.1 | length 51.6
  Top Layer w0.15: IC10.20@125.794,149.264 134.241,149.264 134.505,149 v1(134.6,149) ; v1(135.029,116.761) 135.531,117.264 143.148,117.264 143.537,116.875 144.475,116.875 144.75,116.6 R148.1@144.75,116.5
  Bottom Layer w0.15: v1(134.6,149) 134.6,117.19 v1(135.029,116.761)
V13_8: IC10.21 R150.1 | length 51.5
  Top Layer w0.15: IC10.21@125.794,149.925 125.913,149.805 126.665,149.805 126.77,149.7 135.4,149.7 v1(135.5,149.6) ; v1(135.819,114.795) 135.914,114.795 136.119,115 R150.1@142.5,115
  Bottom Layer w0.15: v1(135.5,149.6) 135.5,117.103 135.604,116.999 135.604,116.869 135.819,116.653 v1(135.819,114.795)
V14_8: IC10.22 R154.1 | length 71.4
  Top Layer w0.15: IC10.22@125.794,150.56 125.888,150.466 126.665,150.466 126.731,150.4 136.109,150.4 v1(136.244,150.265) ; R154.1@163.25,116.5 163.5,116.75 v1(163.5,118)
  Layer 2 w0.15: v1(136.361,118.464) 163.036,118.464 v1(163.5,118)
  Bottom Layer w0.15: v1(136.244,150.265) 136.244,118.581 v1(136.361,118.464)
V15_8: IC10.23 R157.1 | length 79.3
  Top Layer w0.15: IC10.23@125.794,151.22 125.913,151.101 126.665,151.101 ; 126.666,151.1 137.166,151.1 v1(137.192,151.074) ; R157.1@165,114.25 165.25,114 v1(166.4,114)
  Layer 2 w0.15: v1(137.6,113.8) 166.105,113.8 166.305,114 v1(166.4,114)
  Bottom Layer w0.15: v1(137.192,151.074) 137.192,114.208 v1(137.6,113.8)
VO0_8: IC6.1 P30.1 R107.2 | length 13.9
  Top Layer w0.15: P30.1@141.5,185 141.5,183.126 144.211,180.415 146.493,180.415 148.75,178.158 R107.2@148.75,177.5 150.693,177.5 IC6.1@150.788,177.405
VO1_8: IC6.7 P31.1 R111.2 | length 12.3
  Top Layer w0.15: P31.1@153.5,185 153.5,182.35 158.25,177.6 R111.2@158.25,177.5 158.25,177.4 157.5,176.65 157.5,176.3 157.335,176.135 IC6.7@156.212,176.135
VO2_8: IC7.1 P32.1 R121.2 | length 10.4
  Top Layer w0.15: P32.1@147.5,165 147.5,164.599 148.25,163.849 R121.2@148.25,157.5 150.693,157.5 IC7.1@150.788,157.405
VO3_8: IC7.7 P33.1 R125.2 | length 10.8
  Top Layer w0.15: IC7.7@156.212,156.135 156.65,156.135 157.3,156.785 157.3,157.107 157.692,157.5 R125.2@158.25,157.5 158.25,158.35 159.5,159.6 P33.1@159.5,165
VO4_8: IC8.1 P34.1 R135.2 | length 10.6
  Top Layer w0.15: P34.1@147.5,145 147.5,138.35 148.75,137.1 R135.2@148.75,137 148.845,136.905 IC8.1@150.788,136.905
VO5_8: IC8.7 P35.1 R139.2 | length 11.2
  Top Layer w0.15: IC8.7@156.212,135.635 156.462,135.885 157.085,135.885 157.2,136 157.35,136 158.25,136.9 R139.2@158.25,137 158.25,137.1 159.5,138.35 P35.1@159.5,145
VO6_8: IC9.1 P36.1 R149.2 | length 11.3
  Top Layer w0.15: P36.1@147.5,125 147.5,123.3 147.7,123.1 147.7,120.763 149.25,119.212 R149.2@149.25,116.5 151.043,116.5 IC9.1@151.222,116.321
VO7_8: IC9.7 P37.1 R153.2 | length 11.9
  Top Layer w0.15: IC9.7@156.646,115.051 157.083,115.051 157.746,115.713 158.063,115.713 158.75,116.4 R153.2@158.75,116.5 158.75,123.849 159.7,124.799 159.7,125 P37.1@159.5,125
XALT_2_N: C12.2 IC1.24 Y1.3 | length 6.8
  Top Layer w0.15: C12.2@77.3,137.2 79.05,137.2 Y1.3@79.2,137.05 79.725,136.525 79.908,136.525 80.025,136.408 80.025,136.225 80.148,136.102 80.148,136.048 81.54,134.656 81.54,134.229 81.49,134.179 81.49,133.332 IC1.24@81.465,133.307
XALT_2_P: C11.1 IC1.23 Y1.1 | length 8.6
  Top Layer w0.15: Y1.1@81.4,138.75 Y1.1@81.3,138.75 ; IC1.23@81.965,133.307 81.94,133.332 81.94,134.179 81.89,134.229 81.89,134.8 80.498,136.193 80.498,136.247 80.375,136.37 80.375,137.825 Y1.1@81.3,138.75 ; C11.1@83.3,138.6 81.45,138.6 Y1.1@81.3,138.75
XALT_3_N: C26.2 U1.5 Y2.3 | length 9.1
  Top Layer w0.15: U1.5@59.75,154.1 59.715,154.065 59.715,153.62 59.675,153.58 59.675,150.965 58.403,149.692 58.403,149.292 58.52,149.175 58.675,149.175 Y2.3@59.2,148.65 59.3,148.65 60.125,147.825 61.075,147.825 C26.2@61.4,147.5
XALT_3_P: C24.1 U1.4 Y2.1 | length 10.4
  Top Layer w0.15: C24.1@54.9,147.1 54.9,147 54.95,146.95 Y2.1@57,146.95 57.1,146.95 58.052,147.902 58.052,149.837 59.325,151.11 59.325,153.58 59.285,153.62 59.285,154.065 U1.4@59.25,154.1
pads on no net: IC1.8 IC1.9 IC1.29 IC1.47 IC1.49 IC1.50 IC1.53 IC1.54 IC1.55 IC1.56 IC1.57 IC1.63 IC1.64 IC1.65 IC1.66 IC1.67 IC1.76 IC1.79 IC1.80 IC1.81 IC1.82 IC1.85 IC1.99 IC1.117 IC1.122 IC1.123 IC1.124 IC1.125 IC1.127 IC1.129 IC1.136 IC1.139 IC3.15 IC3.25 IC4.15 IC4.25 IC5.15 IC5.25 IC10.5 IC10.6 IC10.7 IC10.8 IC10.9 IC10.10 IC10.14 IC10.24 IC10.25 IC10.26 IC10.27 IC10.30 IC10.32 IC10.33 IC10.48 IC11.2 IC11.3 IC11.5 IC12.2 IC12.3 IC12.5 IC13.2 IC13.3 IC13.5 IC14.4 IC15.4 P5.0 P5.7 P5.8 P5.13 P5.14 SW1.4 SW1.5 USB1. USB1.A8 USB1.B8

## Polygon pours and split planes (outlines as drawn)
GND on Top Layer "GND_L01_P010" (solid, remove dead copper, pour order 10): 23.5,20.5 25,19 171.5,19 173,20.5 173,195.5 171.5,197 25,197 23.5,195.5
-15V on Top Layer "NONET_L-01_P-001" (solid, remove dead copper, pour order 6): 96.6,178.4 100.1,178.4 100.1,186.8 95.8,186.8 95.7,186.9 95.7,186.2 95.4,185.9 93.8,185.9 93.1,186.6 84.9,186.6 84.9,183.2 85.7,182.4 88.6,182.4 90.6,184.4 95.8,184.4 95.8,179.2
NetC119_1 on Top Layer "NONET_L-01_P-001" (solid, remove dead copper, pour order 5): 94,182.9 93.9,182.8 93.9,178.9 96.1,176.7 104.9,176.7 107.1,178.9 107.1,179.8 106.6,180.3 105,180.3 105,179.3 104.1,178.4 96.6,178.4 95.6,179.4 95.6,182.8 95.5,182.9
15V on Top Layer "NONET_L-01_P-001" (solid, remove dead copper, pour order 4): 64,195.4 64.45,194.95 65.75,194.95 66.2,194.5 67.5,194.5 68,194 71.6,194 72.4,193.2 72.4,191.8 71.6,191 70.6,191 69.7,191.9 67.8,191.9 67,192.7 62.9,192.7
NetC128_1 on Top Layer "NONET_L-01_P-001" (solid, remove dead copper, pour order 3): 79.75,190.35 79.75,189.25 80.6,188.4 80.6,182.3 78.8,180.5 75.5,180.5 74.7,181.3 74.7,182.7 75.4,182.7 75.9,182.2 78.2,182.2 79.2,183.2 79.2,186.4 77.7,187.9 77.7,189.9 76.7,190.9 76.7,192.5 78.4,192.5 78.5,192.6 78.9,192.2 78.9,191.2
5V on Top Layer "NONET_L-01_P-001" (solid, remove dead copper, pour order 2): 46.9,173.6 49.8,173.6 52.1,171.3 55.8,171.3 55.8,168.6 51.8,168.6 49.7,170.7 48.5,170.7 48.2,170.4 47.2,170.4 47.1,170.5
NetC118_1 on Top Layer "NONET_L-01_P-001" (solid, remove dead copper, pour order 1): 42.5,170.4 42.5,173 41.7,173.8 41.7,177.5 40.8,178.4 40.8,181.1 42.1,182.4 43.9,182.4 44.8,181.5 44.8,182.4 45.4,183 44,184.4 41.1,184.4 38.8,182.1 38.8,174.4 39.8,173.4
24V on Top Layer "NONET_L-01_P-001" (solid, remove dead copper, pour order 0): 45.85,185.3 45.85,184.65 46.9,183.6 46.9,183.1 46.7,182.9 46.7,181.5 46,181.5 46,182.8 45.1,183.7 45.1,185.3
GND on Layer 2 "GND_L03_P012" (solid, remove dead copper, pour order 12): 23.5,20.5 25,19 171.5,19 173,20.5 173,195.5 171.5,197 25,197 23.5,195.5
3V3 on Layer 2 "NONET_L-01_P-001" (solid, remove dead copper, pour order 8): 32,19 29.717,19 25,19 23.5,20.5 23.5,159.5 32.5,168.5 108,168.5 119.5,157 119.5,130 111.5,122 111.5,96 108.5,93 56,93 47,84 47,34
GND on Layer 1 "GND_L02_P009" (solid, remove dead copper, pour order 9): 23.5,20.5 25,19 171.5,19 173,20.5 173,195.5 171.5,197 25,197 23.5,195.5
GND on Bottom Layer "GND_L04_P011" (solid, remove dead copper, pour order 11): 23.5,20.5 25,19 171.5,19 173,20.5 173,195.5 171.5,197 25,197 23.5,195.5

## Keep-outs
Keep-Out Layer:
  circle w0.2: c168,24 r3.5
  circle w0.2: c168,192 r3.5
  circle w0.2: c40,24 r3.5
  circle w0.2: c29,176 r3.5
  circle w0.2: c105,107 r3.5
  lines w0.2: 23.5,20.5 23.5,195.5 25,197 171.5,197 173,195.5 173,20.5 171.5,19 25,19 23.5,20.5

## Silkscreen, mask and mechanical layers (free items; w line width, h text height)
Top Overlay:
  drawing of 78 lines, arcs and shapes, not listed
  text "Power Output" at 121.5,194.749 h1.4
  text "15V GND -15V" at 110,194.519 h1.8
  text "24V" at 120.998,187.5 h1.8
  text "15V" at 121.5,183.519 h1.8
  text "-15V" at 121,179.019 h1.8
  text "GND 24V" at 34.981,178.5 h1.8 r90
  text "3V3" at 121.5,174.52 h1.8
  text "DAC / 6 4 2 0 / 7 5 3 1" at 134,160.5 h3 r90
  text "MISO" at 78.479,155.5 h2 r90
  text "MOSI" at 80.979,155.5 h2 r90
  text "SCK" at 83.479,155.5 h2 r90
  text "NCS" at 85.979,155.5 h2 r90
  text "GND" at 88.479,155.5 h2 r90
  text "3V3" at 90.978,155.5 h2 r90
  text "V 6 4 2 0 / G 7 5 3 1" at 78,144.5 h1.8
  text "G" at 52,142.019 h1.8
  text "G" at 59.5,142.019 h1.8
  text "NRST" at 37.981,142 h1.8 r90
  text "CLK" at 59.5,139.519 h1.8
  text "RX" at 51.5,139.5 h1.8
  text "OBSERVE PRECAUTIONS FOR HANDLING / ELECTROSTATIC SENSTIVE DEVICES" at 139,139.5 h1.6 r90
  text "ATTENTION!" at 131.479,138.999 h2 r90
  text "BT0" at 37.981,137 h1.8 r90
  text "TX" at 51.5,137 h1.8
  text "DIO" at 59.5,137.019 h1.8
  text "G" at 52,134.519 h1.8
  text "NRST" at 59.5,134.519 h1.8
  text "3V3" at 59.5,132.02 h1.8
  text "BTN" at 38,132 h1.8 r90
  text "3V3" at 50.5,131.02 h1.8
  text "UART8" at 46.019,125.5 h1.8 r270
  text "G  A  B" at 51.019,125 h1.8 r270
  text "G  T  R  V" at 54.519,125 h1.8 r270
  text "UART7" at 46.019,109.5 h1.8 r270
  text "ATTENTION!" at 127.998,108.532 h3
  text "OS0" at 53.981,104 h1.8 r90
  text "OS1" at 56.481,104 h1.8 r90
  text "OS2" at 58.981,104 h1.8 r90
  text "V 6 4 2 0+8 / G 7 5 3 1+8" at 100.5,103 h1.8 r180
  text "OBSERVE PRECAUTIONS / FOR HANDLING /  / ELECTROSTATIC / SENSTIVE / DEVICES" at 127.737,97 h2
  text "USART2" at 46.019,95 h1.8 r270
  text "UART4" at 46.019,80 h1.8 r270
  text "ADC0 /       3 5 7 / 0 1 2 4 6" at 141,67.5 h3 r90
  text "UART5" at 46.019,64 h1.8 r270
  text "ATTENTION!" at 50.498,58.032 h3
  text "OBSERVE PRECAUTIONS FOR HANDLING / ELECTROSTATIC SENSTIVE DEVICES" at 68,57.5 h2
  text "USART6" at 46.019,52.5 h1.8 r270
  text "ATTENTION!" at 78.998,42.032 h3
  text "ATTENTION!" at 100.998,41.532 h3
  text "USART1" at 46.019,40.5 h1.8 r270
  text "ADC2 / 1 3 5 7 / 0 2 4 6" at 60.5,36 h3
  text "ADC1 / 1 3 5 7 / 0 2 4 6" at 125,35.5 h3
  text "ATTENTION!" at 147.498,35.032 h3
  text "OBSERVE PRECAUTIONS FOR HANDLING / ELECTROSTATIC SENSTIVE DEVICES" at 79.5,34 h2
  text "OBSERVE PRECAUTIONS FOR HANDLING / ELECTROSTATIC SENSTIVE DEVICES" at 101.5,33.5 h2
  text "OBSERVE PRECAUTIONS FOR HANDLING / ELECTROSTATIC SENSTIVE DEVICES" at 148,27 h2
Bottom Overlay:
  drawing of 31 lines, arcs and shapes, not listed
Drill Drawing:
  drawing of 175 lines, arcs and shapes, not listed
  text "Symbol" at 202.118,140.874 h1.83
  text "Count" at 214.967,140.874 h1.83
  text "Hole Size" at 230.203,140.874 h1.83
  text "Plated" at 259.405,140.874 h1.83
  text "Hole Type" at 272.254,140.874 h1.83
  text "Drill Layer Pair" at 290.893,140.874 h1.83
  text "Via/Pad" at 328.981,140.874 h1.83
  text "Pad Shape" at 343.963,140.874 h1.83
  text "Template" at 371.641,140.874 h1.83
  text "Description" at 402.62,140.874 h1.83
  text "Hole Tolerance (+)" at 424.306,140.874 h1.83
  text "Hole Tolerance (-)" at 458.179,140.874 h1.83
  text "Hole Length" at 492.053,140.874 h1.83
  text "Routed Path Length" at 519.985,140.874 h1.83
  text "2" at 214.967,137.064 h1.52
  text "12.99mil (0.330mm)" at 230.203,137.064 h1.52
  text "PTH" at 259.405,137.064 h1.52
  text "Round" at 272.254,137.064 h1.52
  text "Top Layer - Bottom Layer" at 290.893,137.064 h1.52
  text "Via" at 328.981,137.064 h1.52
  text "Rounded" at 343.963,137.064 h1.52
  text "v66h33" at 371.641,137.064 h1.52
  text "-" at 492.053,137.064 h1.52
  text "-" at 519.985,137.064 h1.52
  text "2" at 214.967,133.254 h1.52
  text "23.62mil (0.600mm)" at 230.203,133.254 h1.52
  text "PTH" at 259.405,133.254 h1.52
  text "Slot" at 272.254,133.254 h1.52
  text "Top Layer - Bottom Layer" at 290.893,133.254 h1.52
  text "Pad" at 328.981,133.254 h1.52
  text "Rounded" at 343.963,133.254 h1.52
  text "r100_160h60_120r100" at 371.641,133.254 h1.52
  text "47.24mil (1.200mm)" at 492.053,133.254 h1.52
  text "23.62mil (0.600mm)" at 519.985,133.254 h1.52
  text "2" at 214.967,129.444 h1.52
  text "23.62mil (0.600mm)" at 230.203,129.444 h1.52
  text "PTH" at 259.405,129.444 h1.52
  text "Slot" at 272.254,129.444 h1.52
  text "Top Layer - Bottom Layer" at 290.893,129.444 h1.52
  text "Pad" at 328.981,129.444 h1.52
  text "Rounded" at 343.963,129.444 h1.52
  text "r100_210h60_180r100" at 371.641,129.444 h1.52
  text "70.87mil (1.800mm)" at 492.053,129.444 h1.52
  text "47.24mil (1.200mm)" at 519.985,129.444 h1.52
  text "2" at 214.967,125.634 h1.52
  text "27.56mil (0.700mm)" at 230.203,125.634 h1.52
  text "NPTH" at 259.405,125.634 h1.52
  text "Round" at 272.254,125.634 h1.52
  text "Top Layer - Bottom Layer" at 290.893,125.634 h1.52
  text "Pad" at 328.981,125.634 h1.52
  text "Rounded" at 343.963,125.634 h1.52
  text "c70hn70" at 371.641,125.634 h1.52
  text "-" at 492.053,125.634 h1.52
  text "-" at 519.985,125.634 h1.52
  text "2" at 214.967,121.824 h1.52
  text "59.06mil (1.500mm)" at 230.203,121.824 h1.52
  text "PTH" at 259.405,121.824 h1.52
  text "Round" at 272.254,121.824 h1.52
  text "Top Layer - Bottom Layer" at 290.893,121.824 h1.52
  text "Pad" at 328.981,121.824 h1.52
  text "Rounded" at 343.963,121.824 h1.52
  text "c300h150" at 371.641,121.824 h1.52
  text "-" at 492.053,121.824 h1.52
  text "-" at 519.985,121.824 h1.52
  text "2" at 214.967,118.014 h1.52
  text "70.87mil (1.800mm)" at 230.203,118.014 h1.52
  text "PTH" at 259.405,118.014 h1.52
  text "Round" at 272.254,118.014 h1.52
  text "Top Layer - Bottom Layer" at 290.893,118.014 h1.52
  text "Pad" at 328.981,118.014 h1.52
  text "Rounded" at 343.963,118.014 h1.52
  text "c250h180" at 371.641,118.014 h1.52
  text "-" at 492.053,118.014 h1.52
  text "-" at 519.985,118.014 h1.52
  text "2" at 214.967,114.204 h1.52
  text "128.35mil (3.260mm)" at 230.203,114.204 h1.52
  text "NPTH" at 259.405,114.204 h1.52
  text "Round" at 272.254,114.204 h1.52
  text "Top Layer - Bottom Layer" at 290.893,114.204 h1.52
  text "Pad" at 328.981,114.204 h1.52
  text "Rounded" at 343.963,114.204 h1.52
  text "c300hn326" at 371.641,114.204 h1.52
  text "-" at 492.053,114.204 h1.52
  text "-" at 519.985,114.204 h1.52
  text "3" at 214.967,110.394 h1.52
  text "59.06mil (1.500mm)" at 230.203,110.394 h1.52
  text "PTH" at 259.405,110.394 h1.52
  text "Slot" at 272.254,110.394 h1.52
  text "Top Layer - Bottom Layer" at 290.893,110.394 h1.52
  text "Pad" at 328.981,110.394 h1.52
  text "Rounded Rectangle" at 343.963,110.394 h1.52
  text "r350_250h150_250r50" at 371.641,110.394 h1.52
  text "98.43mil (2.500mm)" at 492.053,110.394 h1.52
  text "39.37mil (1.000mm)" at 519.985,110.394 h1.52
  text "4" at 214.967,106.584 h1.52
  text "43.31mil (1.100mm)" at 230.203,106.584 h1.52
  text "PTH" at 259.405,106.584 h1.52
  text "Round" at 272.254,106.584 h1.52
  text "Top Layer - Bottom Layer" at 290.893,106.584 h1.52
  text "Pad" at 328.981,106.584 h1.52
  text "Rounded" at 343.963,106.584 h1.52
  text "c200h110" at 371.641,106.584 h1.52
  text "-" at 492.053,106.584 h1.52
  text "-" at 519.985,106.584 h1.52
  text "5" at 214.967,102.774 h1.52
  text "125.98mil (3.200mm)" at 230.203,102.774 h1.52
  text "NPTH" at 259.405,102.774 h1.52
  text "Round" at 272.254,102.774 h1.52
  text "Top Layer - Bottom Layer" at 290.893,102.774 h1.52
  text "Pad" at 328.981,102.774 h1.52
  text "Rounded" at 343.963,102.774 h1.52
  text "c600hn320" at 371.641,102.774 h1.52
  text "-" at 492.053,102.774 h1.52
  text "-" at 519.985,102.774 h1.52
  text "8" at 214.967,98.964 h1.52
  text "15.75mil (0.400mm)" at 230.203,98.964 h1.52
  text "PTH" at 259.405,98.964 h1.52
  text "Round" at 272.254,98.964 h1.52
  text "Top Layer - Bottom Layer" at 290.893,98.964 h1.52
  text "Via" at 328.981,98.964 h1.52
  text "Rounded" at 343.963,98.964 h1.52
  text "v70h40m80" at 371.641,98.964 h1.52
  text "-" at 492.053,98.964 h1.52
  text "-" at 519.985,98.964 h1.52
  text "A" at 201.379,98.71 h1.69
  text "24" at 214.967,95.154 h1.52
  text "47.24mil (1.200mm)" at 230.203,95.154 h1.52
  text "PTH" at 259.405,95.154 h1.52
  text "Round" at 272.254,95.154 h1.52
  text "Top Layer - Bottom Layer" at 290.893,95.154 h1.52
  text "Pad" at 328.981,95.154 h1.52
  text "Rounded" at 343.963,95.154 h1.52
  text "c200h120" at 371.641,95.154 h1.52
  text "-" at 492.053,95.154 h1.52
  text "-" at 519.985,95.154 h1.52
  text "72" at 214.967,91.344 h1.52
  text "35.43mil (0.900mm)" at 230.203,91.344 h1.52
  text "PTH" at 259.405,91.344 h1.52
  text "Round" at 272.254,91.344 h1.52
  text "Top Layer - Bottom Layer" at 290.893,91.344 h1.52
  text "Pad" at 328.981,91.344 h1.52
  text "(Mixed)" at 343.963,91.344 h1.52
  text "(Mixed)" at 371.641,91.344 h1.52
  text "-" at 492.053,91.344 h1.52
  text "-" at 519.985,91.344 h1.52
  text "160" at 214.967,87.534 h1.52
  text "55.12mil (1.400mm)" at 230.203,87.534 h1.52
  text "PTH" at 259.405,87.534 h1.52
  text "Round" at 272.254,87.534 h1.52
  text "Top Layer - Bottom Layer" at 290.893,87.534 h1.52
  text "Pad" at 328.981,87.534 h1.52
  text "Rounded" at 343.963,87.534 h1.52
  text "(Mixed)" at 371.641,87.534 h1.52
  text "-" at 492.053,87.534 h1.52
  text "-" at 519.985,87.534 h1.52
  text "454" at 214.967,83.724 h1.52
  text "11.81mil (0.300mm)" at 230.203,83.724 h1.52
  text "PTH" at 259.405,83.724 h1.52
  text "Round" at 272.254,83.724 h1.52
  text "Top Layer - Bottom Layer" at 290.893,83.724 h1.52
  text "Via" at 328.981,83.724 h1.52
  text "Rounded" at 343.963,83.724 h1.52
  text "(Mixed)" at 371.641,83.724 h1.52
  text "-" at 492.053,83.724 h1.52
  text "-" at 519.985,83.724 h1.52
  text "744 Total" at 214.967,79.914 h1.52
  text "Slot definitions :" at 202.118,76.232 h1.52
  text "Routed Path Length" at 228.348,76.232 h1.52
  text "= Calculated from tool start centre position to tool end centre position." at 256.356,76.232 h1.52
  text "Hole Length" at 228.348,73.692 h1.52
  text "= Routed Path Length + Tool Size = Slot length as defined in the PCB layout" at 245.946,73.692 h1.52